# Altium PCB EPS.PcbDoc (part 4 of 10) (continued)
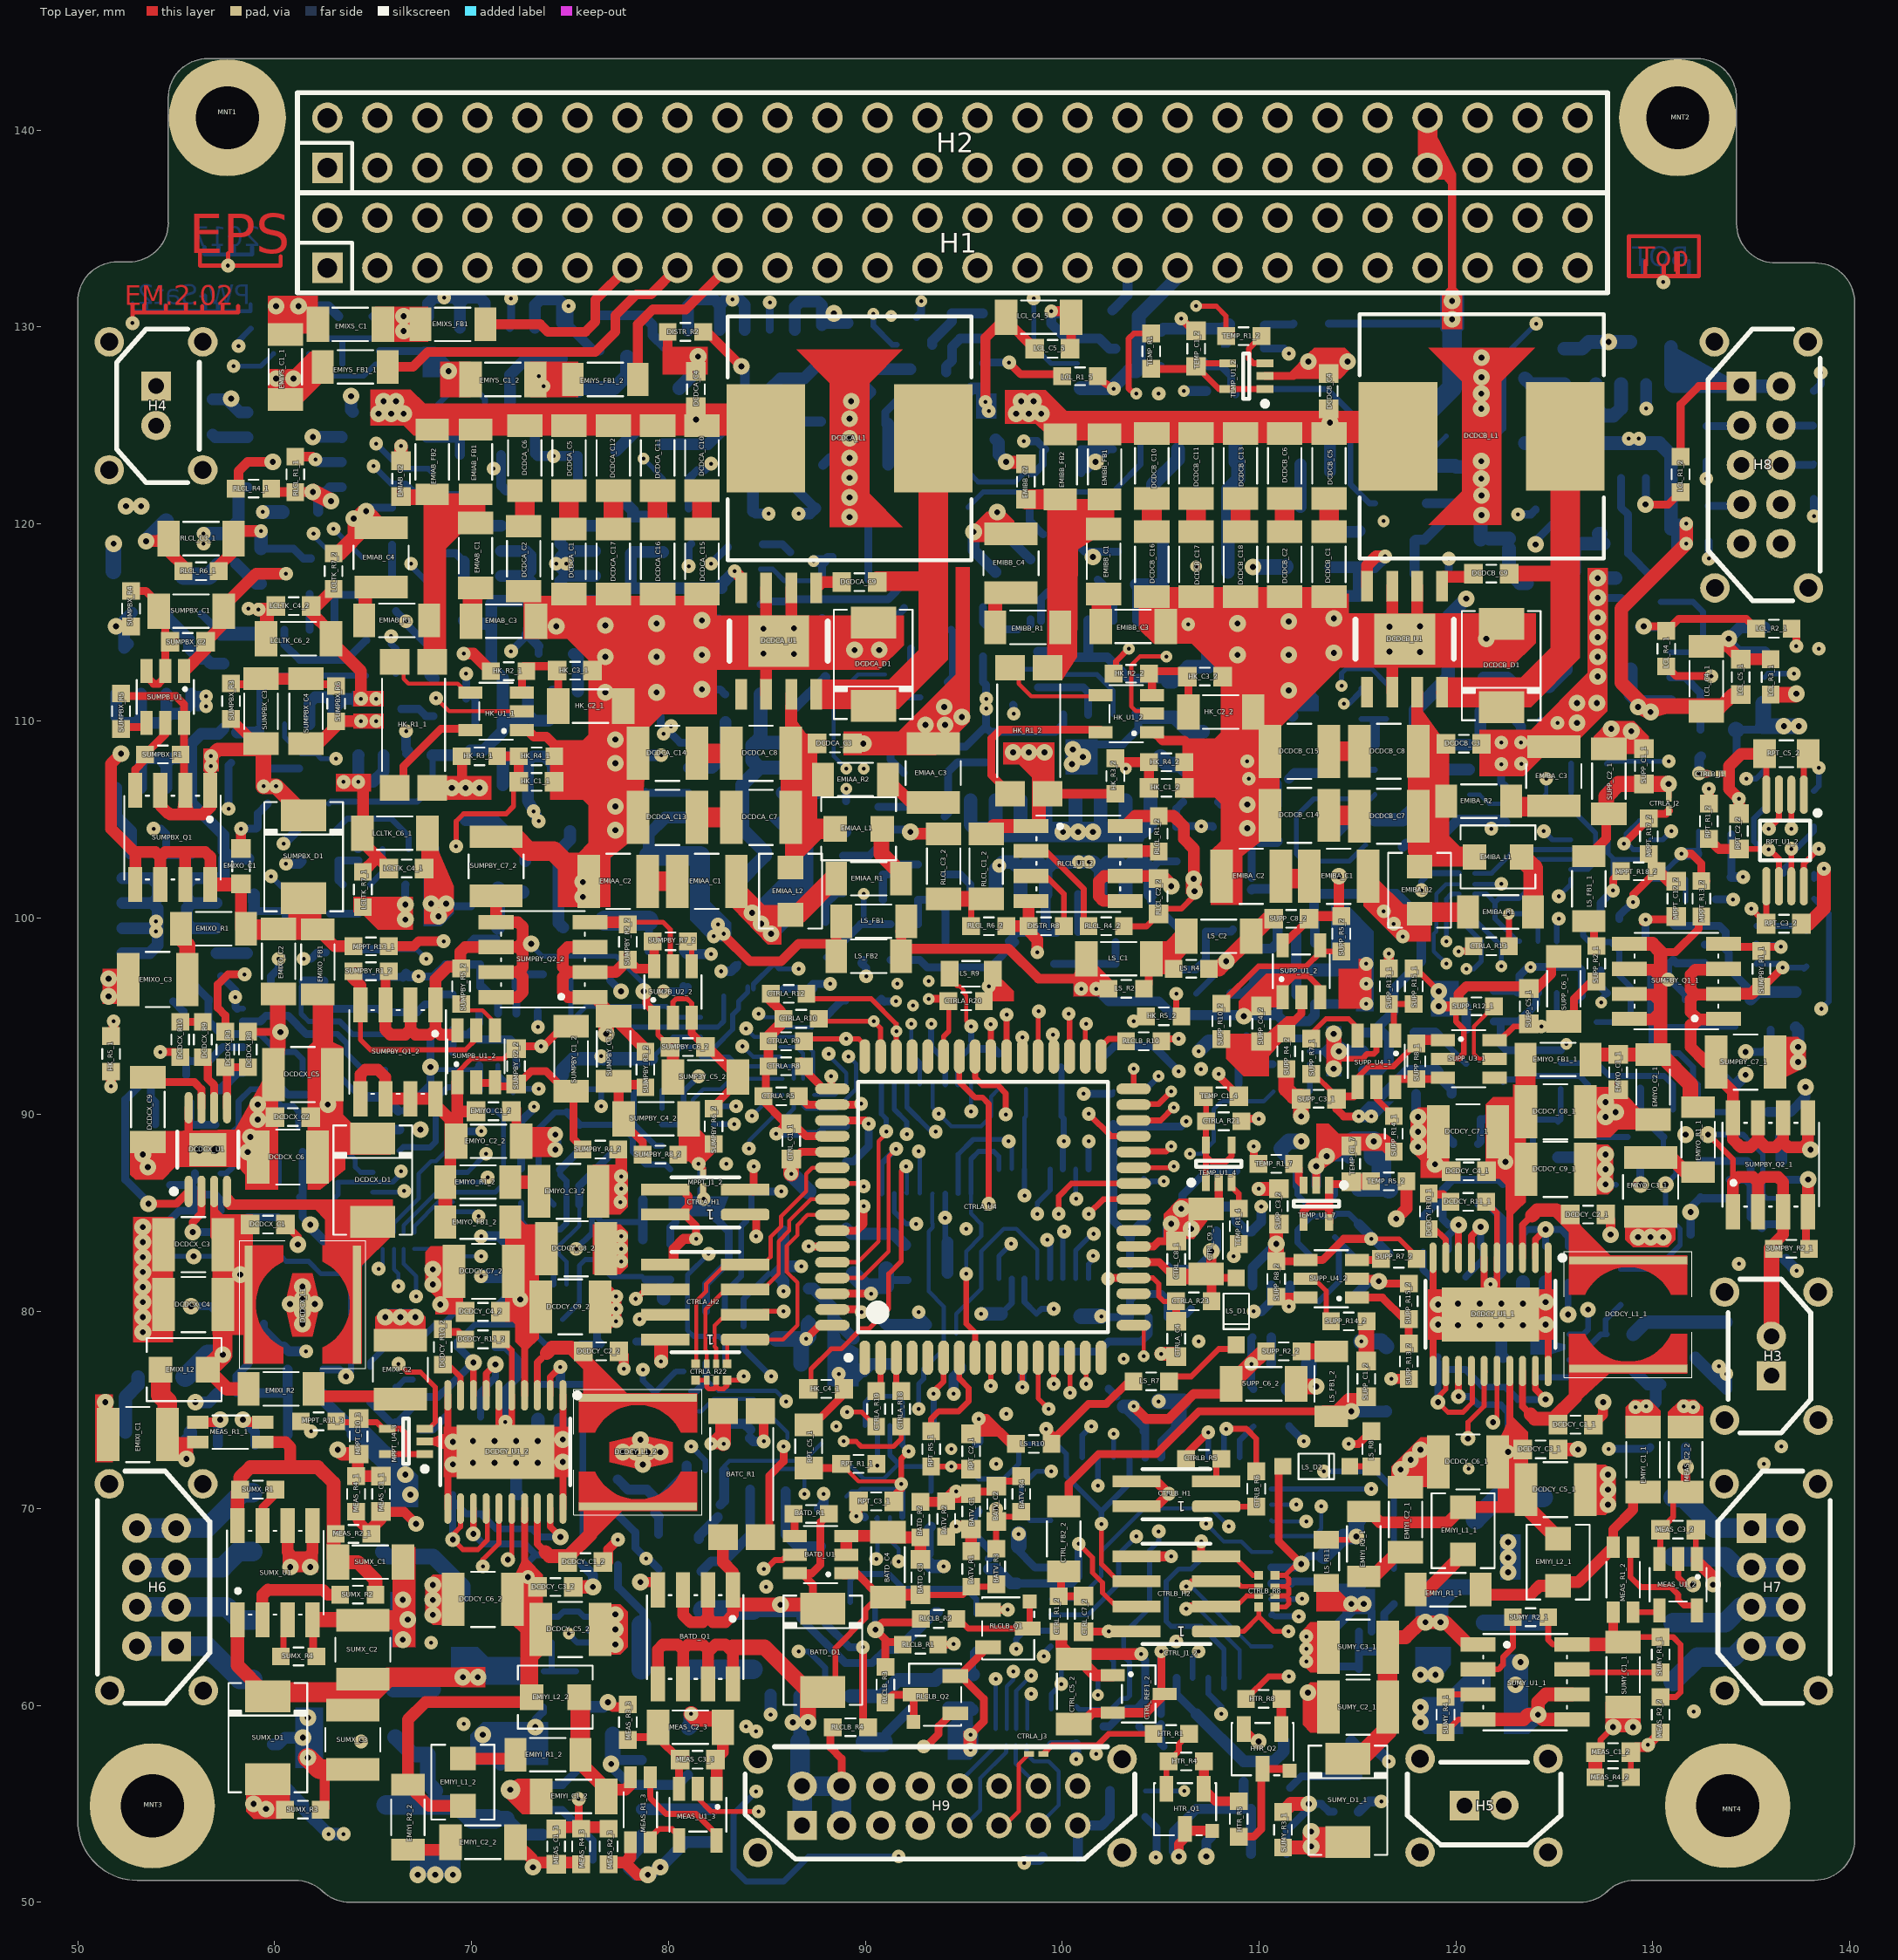
[diagram p0: Top Layer view]
## Nets (pads, with @x,y where several pads share a name; then routed paths per layer and width w, separated by ;. In a path a pad name is that pad's centre, name@x,y a point inside that pad or via, vN(x,y) a via of type N, cw(c..) or ccw(c..) an arc to the next point about the centre after c; other vN are vias at no path point) (continued)
  Bottom Layer w0.208: v1(92.71,88.138) 92.766,88.082 CTRLA_U2.5@92.766,85.998 ; HK_R4_3.1@110.247,130.099 HK_R4_3.1@110.285,130.137
  Bottom Layer w0.4: HK_R4_3.1@110.247,130.099 HK_C1_3.1@110.247,129.159 110.247,128.905 111.252,128.905 v1(111.506,128.651) ; HK_R4_3.1@110.285,130.137 111.711,130.137 HK_R3_3.2@111.749,130.175
CTRLA_JTAG_R\E\S\E\T\: CTRLA_C4.1 CTRLA_H2.6 CTRLA_R23.1 CTRLA_U4.20 | length 51.1
  Top Layer w0.208: v1(78.339,80.647) v1@78.361,80.647 ; CTRLA_H2.6@78.829,81.115 CTRLA_H2.6@79.845,81.115 CTRLA_H2.6@80.861,81.115
  Top Layer w0.254: CTRLA_U4.20@103.624,81.706 104.603,81.706 104.902,81.407 104.902,80.772 105.156,80.518 CTRLA_R23.1@105.78,80.518
  Top Layer w0.3: v1@78.361,80.647 CTRLA_H2.6@78.829,81.115
  Top Layer w0.4: v1(102.324,81.661) 102.369,81.706 CTRLA_U4.20@103.624,81.706 ; CTRLA_C4.1@105.78,79.248 CTRLA_R23.1@105.78,80.518
  Signal 2 w0.254: v1(78.339,80.647) 83.314,80.647 86.233,83.566 86.233,84.836 88.519,87.122 88.519,90.424 89.408,91.313 93.091,91.313 94.488,92.71 100.838,92.71 103.505,90.043 103.505,82.842 v1(102.324,81.661)
CTRLA_JTAG_TCK: CTRLA_H2.1 CTRLA_R22.5 CTRLA_U4.57 | length 12.4
  Top Layer w0.208: CTRLA_R22.5@82.982,77.343 CTRLA_H2.1@82.982,78.613 ; CTRLA_H2.1@83.895,78.575 85.814,78.575 86.546,79.307 86.546,81.475 86.009,82.012 86.009,83.342 86.547,83.88 86.547,84.388 87.065,84.906 CTRLA_U4.57@88.324,84.906
  Top Layer w0.254: CTRLA_H2.1@83.274,78.575 CTRLA_H2.1@83.895,78.575
CTRLA_JTAG_TDI: CTRLA_H2.7 CTRLA_R22.8 CTRLA_U4.54 | length 14.5
  Top Layer w0.208: CTRLA_R22.8@81.407,77.343 81.407,80.518 81.915,81.026 81.915,81.407 CTRLA_H2.7@82.893,82.385 ; CTRLA_H2.7@83.895,82.385 84.798,82.385 85.186,82.773 85.186,83.789 85.725,84.328 85.725,84.836 86.995,86.106 86.995,86.995 87.306,87.306 CTRLA_U4.54@88.324,87.306
  Top Layer w0.254: CTRLA_H2.7@82.893,82.385 CTRLA_H2.7@83.895,82.385
CTRLA_JTAG_TDO: CTRLA_H2.3 CTRLA_R22.6 CTRLA_U4.55 | length 14.5
  Top Layer w0.208: CTRLA_R22.6@82.423,77.343 82.423,78.143 82.34,78.226 82.34,79.292 82.893,79.845 CTRLA_H2.3@83.895,79.845
  Top Layer w0.254: CTRLA_H2.3@84.836,80.01 v1(85.852,80.01) ; CTRLA_U4.55@88.324,86.506 89.77,86.506 v1(89.916,86.36)
  Signal 2 w0.254: v1(85.852,80.01) 88.646,82.804 88.646,85.09 v1(89.916,86.36)
CTRLA_JTAG_TMS: CTRLA_H2.5 CTRLA_R22.7 CTRLA_U4.56 | length 12.8
  Top Layer w0.208: CTRLA_R22.7@81.94,77.343 81.94,77.979 81.883,78.037 81.883,80.105 82.893,81.115 CTRLA_H2.5@83.895,81.115 84.798,81.115 85.598,81.915 85.598,83.566 86.136,84.104 86.136,84.612 87.23,85.706 CTRLA_U4.56@88.324,85.706
CTRLA_LCLs_ANTs_FlagB: CTRLA_R12.2 CTRLA_U4.46 LCL_U1_2.7 | length 77.1
  Top Layer w0.254: CTRLA_R12.2@87.006,96.139 87.26,95.885 90.297,95.885 91.574,94.608 v3(91.574,94.234) CTRLA_U4.46@91.574,92.956
  Control Signals 1 w0.254: v3(91.574,94.234) 91.574,94.735 90.932,95.377 90.932,101.981 88.138,104.775 88.138,108.585 92.075,112.522 121.793,112.522 123.772,114.501 123.772,116.406 125.095,117.729 125.095,123.571 127.381,125.857 v1(129.667,125.857)
  Bottom Layer w0.6: LCL_U1_2.7@129.65,127.11 129.65,125.874 v1(129.667,125.857)
CTRLA_LCLs_ANTs_ON: CTRLA_U4.40 LCL_R4_2.2 | length 52.5
  Top Layer w0.3: CTRLA_U4.40@96.374,92.956 v1(96.374,94.596)
  Signal 2 w0.208: v1(96.374,94.596) 95.504,95.466 95.504,102.743 98.806,106.045 101.6,106.045 102.489,106.934 102.489,110.236 101.473,111.252 101.473,115.316 105.41,119.253 121.92,119.253 v1(123.152,120.485)
  Bottom Layer w0.4: v1(123.152,120.485) 123.798,120.485 LCL_R4_2.2@124.041,120.728
CTRLA_LCLs_CAMnadir_FlagB: CTRLA_R8.2 CTRLA_U4.49 LCL_U1_3.7 | length 52.5
  Top Layer w0.4: CTRLA_R8.2@86.741,92.71 86.995,92.456 86.995,92.202 87.891,91.306 CTRLA_U4.49@88.324,91.306 88.265,91.365 v1(88.265,91.948)
  Signal 2 w0.208: v1(85.15,131.251) 85.15,129.988 88.138,127 88.138,105.918 94.742,99.314 94.742,94.782 93.432,93.472 91.059,93.472 89.535,91.948 v1(88.265,91.948)
  Bottom Layer w0.4: LCL_U1_3.7@85.15,129.86 v1(85.15,131.251)
CTRLA_LCLs_CAMnadir_ON: CTRLA_U4.37 LCL_R4_3.2 | length 50
  Top Layer w0.254: CTRLA_U4.37@98.774,92.956 98.774,95.218 v1(98.806,95.25)
  Top Layer w0.3: CTRLA_U4.37@98.774,92.956 CTRLA_U4.37@98.806,92.988
  Control Signals 1 w0.208: v3(78.74,123.317) 78.105,122.682 78.105,110.744 78.867,109.982 78.867,107.442 80.264,106.045 81.407,106.045 89.281,98.171 89.281,94.996 91.313,92.964 98.171,92.964 98.806,93.599 v1(98.806,95.25)
  Bottom Layer w0.254: v3(78.74,123.317) 78.74,123.306 LCL_R4_3.2@79.756,122.29
CTRLA_LCLs_CAMwing_FlagB: CTRLA_R9.2 CTRLA_U4.48 LCL_U1_4.7 | length 50.6
  Top Layer w0.254: CTRLA_R9.2@86.879,93.726 87.006,93.853 v1(89.027,93.853) 89.662,93.853 89.974,93.541 CTRLA_U4.48@89.974,92.956
  Control Signals 1 w0.254: v1(72.009,131.445) 72.009,118.999 75.311,115.697 75.311,111.252 76.454,110.109 77.47,110.109 78.359,109.22 78.359,107.209 87.376,98.192 87.376,95.504 v1(89.027,93.853)
  Bottom Layer w0.4: LCL_U1_4.7@71.95,129.96 72.009,130.019 v1(72.009,131.445)
CTRLA_LCLs_CAMwing_ON: CTRLA_U4.38 LCL_R4_4.2 | length 59.6
  Top Layer w0.3: CTRLA_U4.38@97.974,93.295 v1(97.974,93.927)
  Control Signals 2 w0.254: v1(65.024,122.936) 73.914,114.046 73.914,112.268 75.692,110.49 80.518,110.49 81.153,109.855 81.153,97.155 82.169,96.139 85.852,96.139 86.868,95.123 89.027,95.123 90.805,93.345 97.392,93.345 v1(97.974,93.927)
  Bottom Layer w0.3: v1(65.024,122.936) 65.913,122.047 66.675,122.047 67.194,121.528 LCL_R4_4.2@69.469,121.528
CTRLA_LCLs_SENS_FlagB: CTRLA_R10.2 CTRLA_U4.47 LCL_U1_5.7 | length 72.3
  Top Layer w0.254: CTRLA_R10.2@87.641,94.869 87.768,94.742 v3(90.424,94.742) 90.774,94.392 CTRLA_U4.47@90.774,92.956
  Control Signals 2 w0.208: v3(90.424,94.742) 89.281,95.885 88.011,95.885 87.376,96.52 87.376,115.443 83.693,119.126 79.947,119.126 77.216,121.856 77.216,124.841 79.121,126.746 84.963,126.746 87.63,129.413 92.71,129.413 94.742,131.445 v1(98.552,131.445)
  Bottom Layer w0.254: v1(98.552,131.445) 98.552,129.032 99.434,128.15 LCL_U1_5.7@100.76,128.15
CTRLA_LCLs_SENS_ON: CTRLA_U4.39 LCL_R4_5.2 | length 46.6
  Top Layer w0.3: CTRLA_U4.39@97.174,92.956 v1(97.174,95.079)
  Signal 2 w0.3: v3(89.916,107.569) 90.932,107.569 91.948,108.585 91.948,127.508 90.41,129.046 v3(90.41,130.683)
  Control Signals 1 w0.254: v3(89.916,107.569) 91.059,107.569 94.361,104.267 94.361,96.266 94.996,95.631 96.622,95.631 v1(97.174,95.079)
  Bottom Layer w0.3: v3(90.41,130.683) 90.41,130.062 91.372,129.1 LCL_R4_5.2@91.6,129.1
CTRLA_LCLs_Suns_FlagB: CTRLA_R5.2 CTRLA_U4.50 LCL_U1_6.7 | length 53.9
  Top Layer w0.4: CTRLA_R5.2@86.625,90.932 87.051,90.506 CTRLA_U4.50@88.324,90.506 89.744,90.506 v1(89.789,90.551)
  Control Signals 1 w0.208: v1(107.047,92.315) 107.047,92.401 107.482,92.837 108.966,92.837 111.887,95.758 111.887,97.917 119.761,105.791 123.317,105.791 v1(124.587,107.061)
  Control Signals 2 w0.208: v1(89.789,90.551) 90.17,90.932 98.298,90.932 99.844,89.386 102.213,89.386 104.239,91.412 104.239,92.555 104.648,92.964 106.172,92.964 106.821,92.315 v1(107.047,92.315)
  Bottom Layer w0.208: LCL_U1_6.7@120.66,106.25 121.207,106.25 121.666,105.791 124.079,105.791 124.587,106.299 v1(124.587,107.061)
CTRLA_LCLs_SunS_ON: CTRLA_U4.36 LCL_R4_6.2 | length 26.7
  Top Layer w0.3: v1(99.528,94.067) 99.528,93.51 CTRLA_U4.36@99.695,93.343
  Control Signals 1 w0.208: v1(99.528,94.067) 99.995,93.599 101.219,93.599 114.3,106.68 v3(114.3,110.871)
  Bottom Layer w0.3: v3(114.3,110.871) 114.554,110.871 115.189,111.506 LCL_R4_6.2@115.189,111.644
CTRLA_LCLs_TKmain_FlagB: CTRLA_R2.2 CTRLA_U4.51 LCLTK_U1_1.7 | length 40.1
  Top Layer w0.4: CTRLA_U4.51@88.324,89.706 89.999,89.706 v1(90.17,89.535)
  Control Signals 1 w0.254: v1(66.675,109.474) 67.31,108.839 71.501,108.839 74.086,106.254 74.086,105.111 77.089,102.108 77.089,100.965 81.28,96.774 81.28,94.615 83.185,92.71 84.836,92.71 88.011,89.535 v1(90.17,89.535)
  Bottom Layer w0.4: LCLTK_U1_1.7@66.675,108.335 LCLTK_U1_1.7@66.75,108.26 ; CTRLA_R2.2@89.027,87.619 89.397,87.619 90.17,88.392 v1(90.17,89.535)
  Bottom Layer w0.5: v1(66.675,109.474) 66.675,108.589 LCLTK_U1_1.7@66.802,108.462
CTRLA_LCLs_TKmain_ON: CTRLA_U4.35 LCLTK_R13_1.2 | length 47.7
  Top Layer w0.3: v1(100.33,95.123) v1@100.369,95.123 ; CTRLA_U4.35@100.374,92.956 v1@100.374,95.118 ; v1@100.369,95.123 100.33,95.162 100.374,95.206 v1@100.374,95.118 ; v1@100.369,95.123 v1@100.374,95.118
  Signal 1 w0.254: v1(60.579,102.743) 68.453,102.743 69.469,101.727 73.152,101.727 74.549,103.124 83.82,103.124 86.868,100.076 94.869,100.076 97.917,97.028 99.06,97.028 100.33,95.758 v1(100.33,95.123)
  Bottom Layer w0.4: LCLTK_R13_1.2@61.37,102.87 LCLTK_R13_1.2@61.4,102.9
  Bottom Layer w0.5: v1(60.579,102.743) 61.243,102.743 LCLTK_R13_1.2@61.37,102.87
CTRLA_MPPTX_C\S\_ADC: CTRLA_R1.8 CTRLA_U4.25 | length 60.5
  Top Layer w0.3: v1(101.346,84.963) 102.089,85.706 CTRLA_U4.25@103.624,85.706
  Power w0.208: v3(91.616,96.641) 92.45,97.476 96.58,97.476 97.409,96.647 99.735,96.647 100.878,95.504 101.473,95.504 101.981,94.996 101.981,91.821 102.87,90.932 102.87,86.487 v1(101.346,84.963)
  Signal 2 w0.208: v1(65.278,82.169) 69.215,86.106 73.406,86.106 83.312,96.012 83.706,96.012 86.343,98.649 89.565,98.649 91.573,96.641 v3(91.616,96.641)
  Bottom Layer w0.208: v1(65.278,82.169) 65.481,82.372 CTRLA_R1.8@65.481,83.185
CTRLA_MPPTX_C\S\_DAC: CTRLA_R1.7 CTRLA_R11.8 CTRLA_R16.6 CTRLA_R24.6 CTRLA_U4.26 | length 162.5
  Top Layer w0.3: v1(99.822,84.963) 99.822,85.852 100.476,86.506 CTRLA_U4.26@103.624,86.506
  Signal 2 w0.208: v1(66.281,81.289) 66.281,82.283 69.566,85.568 73.63,85.568 83.439,95.377 83.653,95.377 84.415,96.139 86.447,98.171 87.884,98.171 89.027,97.028 89.027,94.996 89.789,94.234 89.789,93.593 v1(89.146,92.95) ; v1(97.518,61.722) 96.901,62.339 96.901,63.246 99.187,65.532 99.695,65.532 102.997,68.834 102.997,69.596 105.791,72.39 108.077,72.39 109.093,73.406 109.093,75.184 107.95,76.327 107.95,78.613 106.098,80.465 101.526,80.465 100.838,81.153 100.838,84.455 100.33,84.963 v1(99.822,84.963)
  Control Signals 1 w0.254: v1(99.822,84.963) 100.33,84.963 100.778,84.515 100.778,81.594 101.727,80.645 102.616,80.645 103.124,81.153 103.124,87.757 104.394,89.027 107.569,89.027 109.982,91.44 114.554,91.44 118.25,95.136 v1(118.25,101.4)
  Control Signals 2 w0.208: v1@89.132,92.936 v1(89.146,92.95) 89.146,91.686 88.392,90.932 86.995,90.932 86.487,91.44 83.439,91.44 82.274,90.275 82.274,86.509 83.566,85.217 86.995,85.217 89.027,87.249 90.551,87.249 91.313,86.487 93.472,86.487 93.98,86.995 98.806,86.995 99.822,85.979 v1(99.822,84.963)
  Bottom Layer w0.208: CTRLA_R1.7@66.065,83.185 66.065,82.144 66.281,81.928 v1(66.281,81.289) ; CTRLA_R24.6@86.843,90.995 86.843,90.449 86.995,90.297 88.519,90.297 89.535,91.313 89.535,92.583 89.168,92.95 v1(89.146,92.95) ; CTRLA_R16.6@97.18,58.801 97.18,60.97 97.518,61.308 v1(97.518,61.722)
  Bottom Layer w0.3: v1@118.237,101.346 118.237,101.854 118.643,102.26 CTRLA_R11.8@120.142,102.26
CTRLA_MPPTY+_C\S\_ADC: CTRLA_R11.7 CTRLA_U4.27 | length 29.1
  Top Layer w0.254: CTRLA_U4.27@103.624,87.306 v3@105.668,87.306
  Control Signals 1 w0.208: v3(105.668,87.38) 105.694,87.354 110.214,87.354 110.998,88.138 110.998,90.043 111.76,90.805 115.062,90.805 117.983,93.726 118.872,93.726 120.142,94.996 120.142,96.861 119.507,97.496 v3(119.507,97.663)
  Bottom Layer w0.208: v3(119.507,97.663) 118.872,98.298 118.872,99.187 118.999,99.314 118.999,101.219 119.482,101.702 CTRLA_R11.7@120.142,101.702
  Bottom Layer w0.254: v3(119.507,97.663) v3@119.507,97.773
CTRLA_MPPTY+_C\S\_DAC: CTRLA_R11.5 CTRLA_U4.28 | length 36.8
  Top Layer w0.3: CTRLA_U4.28@103.624,88.106 103.656,88.138 CTRLA_U4.28@103.783,88.011 ; CTRLA_U4.28@104.013,88.138 105.283,88.138 v3(105.537,88.392)
  Control Signals 1 w0.208: v3(105.537,88.392) 104.775,88.392 104.267,87.884 104.267,85.725 104.521,85.471 105.196,85.471 105.958,86.233 106.934,86.233 108.712,84.455 111.887,84.455 114.935,87.503 115.824,87.503 116.586,88.265 116.586,91.313 118.11,92.837 119.38,92.837 121.031,94.488 121.031,96.901 v3(120.523,97.409)
  Bottom Layer w0.254: CTRLA_R11.5@120.142,100.66 120.142,99.949 121.285,98.806 121.285,97.79 120.904,97.409 v3(120.523,97.409)
CTRLA_MPPTY-_C\S\_ADC: CTRLA_R24.7 CTRLA_U4.31 | length 41.1
  Top Layer w0.3: CTRLA_U4.31@103.624,90.506 103.651,90.533 104.884,90.533 v3(105.537,91.186) 105.537,91.094 v3@105.583,91.14
  Power w0.208: v1(84.088,88.279) 85.739,88.279 86.487,89.027 86.487,93.599 88.138,95.25 88.9,95.25 89.285,95.635 89.285,97.389 89.782,97.887 96.931,97.887 97.715,97.103 102.16,97.103 102.616,96.647 102.616,91.886 103.316,91.186 v3(105.537,91.186)
  Bottom Layer w0.208: v1(84.088,88.279) 84.088,88.68 85.325,89.916 85.979,89.916 86.36,90.297 CTRLA_R24.7@86.36,90.995
CTRLA_MPPTY-_C\S\_DAC: CTRLA_R24.8 CTRLA_U4.32 | length 23.4
  Top Layer w0.3: CTRLA_U4.32@103.624,91.306 103.632,91.314 v3(103.632,92.329)
  Control Signals 2 w0.208: v1(84.242,89.929) 88.151,89.929 90.551,92.329 v3(103.632,92.329)
  Bottom Layer w0.208: v1(84.242,89.929) 84.247,89.929 85.313,90.995 CTRLA_R24.8@85.801,90.995
CTRLA_SPI_MISO: CTRLA_R1.5 CTRLA_U4.13 | length 45
  Top Layer w0.208: CTRLA_U4.13@99.568,77.65 CTRLA_U4.13@99.574,77.656
  Top Layer w0.254: v1(99.568,76.327) CTRLA_U4.13@99.568,77.65
  Signal 2 w0.208: v1(70.485,82.804) 72.263,82.804 72.771,82.296 75.692,82.296 76.2,82.804 76.2,86.614 77.216,87.63 78.867,87.63 79.502,88.265 82.169,88.265 v1(82.931,87.503)
  Control Signals 1 w0.254: v1(82.931,87.503) 85.217,85.217 86.487,85.217 89.662,82.042 92.837,82.042 94.107,80.772 97.028,80.772 97.917,79.883 97.917,77.978 v1(99.568,76.327)
  Bottom Layer w0.208: CTRLA_R1.5@67.081,83.185 68.453,83.185 68.834,82.804 v1(70.485,82.804)
CTRLA_SPI_MOSI: CTRLA_R1.6 CTRLA_R11.6 CTRLA_R16.5 CTRLA_R24.5 CTRLA_U4.12 | length 142.6
  Top Layer w0.254: CTRLA_U4.12@98.774,77.656 98.774,75.597 v1(99.314,75.057)
  Signal 1 w0.254: v1(96.622,61.341) 95.733,62.23 94.234,62.23 93.726,62.738 93.726,64.389 96.774,67.437 96.774,68.961 97.409,69.596 97.409,70.993 97.917,71.501 97.917,73.001 98.425,73.509 98.425,74.676 98.806,75.057 v1(99.314,75.057)
  Signal 2 w0.208: v1(67.183,80.772) 67.183,82.423 67.818,83.058 68.961,83.058 69.469,82.55 69.469,81.407 69.85,81.026 70.993,81.026 71.628,81.661 83.439,81.661 85.598,83.82 85.598,84.963 87.122,86.487 87.122,92.075 v1(88.138,93.091)
  Control Signals 2 w0.208: 85.598,82.296 84.455,82.296 82.296,84.455 81.28,84.455 80.645,85.09 80.645,89.408 84.328,93.091 v1(88.138,93.091)
  Control Signals 2 w0.254: 85.598,82.296 89.408,78.486 98.044,78.486 98.806,77.724 ; v1(99.314,75.057) 98.806,75.565 98.806,77.724 ; v3(119.507,98.806) 117.729,97.028 117.729,94.107 114.046,90.424 114.046,88.646 114.427,88.265 114.427,86.614 113.792,85.979 113.792,80.137 109.982,76.327 107.061,76.327 106.426,76.962 102.108,76.962 101.473,77.597 98.933,77.597 98.806,77.724
  Bottom Layer w0.208: CTRLA_R1.6@66.548,83.185 66.548,82.423 67.183,81.788 v1(67.183,80.772) ; CTRLA_R24.5@87.401,90.995 88.456,90.995 89.027,91.567 89.027,92.115 88.265,92.877 88.265,92.964 v1(88.138,93.091) ; CTRLA_R16.5@96.622,58.801 v1(96.622,61.341) ; v1(67.183,80.772) 67.183,80.691 67.102,80.772 v1(67.183,80.772)
  Bottom Layer w0.254: v3(119.507,98.806) 119.507,100.942 119.78,101.215 120.138,101.215 CTRLA_R11.6@120.142,101.219
CTRLA_SPI_SCK: CTRLA_R3.1 CTRLA_U4.11 | length 3.4
  Top Layer w0.254: v1(97.974,76.152) CTRLA_U4.11@97.974,77.656
  Bottom Layer w0.4: CTRLA_R3.1@97.906,77.978 CTRLA_R3.1@97.906,77.851 97.974,77.783 v1(97.974,76.152)
CTRLAB_3V3D: LCL_R2_1.1 LCL_R2_2.1 LCL_R2_3.1 LCL_R2_4.1 LCL_R2_5.1 LCL_R2_6.1 LCLTK_R6_1.1 LCLTK_R6_2.1 LS_R7.2 LS_R8.1 LS_R10.2 RLCLB_R1.2 SEL_R1.2 | length 245
  Top Layer w0.3: LCL_R2_1.1@137.044,114.681 LCL_R2_1.1@137.287,114.438
  Top Layer w0.4: RLCLB_R1.2@93.699,63.081 94.45,63.081 v1(94.488,63.119) ; v1(99.187,74.041) 99.568,73.66 99.695,73.66 101.346,75.311 102.235,75.311 103.378,76.454 LS_R7.2@103.621,76.454 ; v1(114.554,73.279) 115.051,73.279 LS_R8.1@115.697,73.925 ; v1(137.287,113.792) LCL_R2_1.1@137.287,114.438
  Power w0.3: v1(61.976,119.507) 60.706,120.777 60.706,121.92 61.214,122.428 62.611,122.428 64.262,124.079 v1(65.151,124.079)
  Signal 1 w0.4: v1(94.488,63.119) 94.488,63.881 98.552,67.945 98.552,72.39 99.187,73.025 v1(99.187,74.041)
  Signal 1 w0.6: v1(82.169,123.063) 87.249,128.143 91.313,128.143 92.837,129.667 v3(92.837,131.318)
  Signal 1 w0.7: v2(124.041,118.961) 128.435,118.961 132.207,115.189 135.89,115.189 v1(137.287,113.792)
  Signal 2 w0.6: v1(59.817,102.108) 59.309,102.616 59.309,105.347 58.547,106.109 58.547,107.696 62.484,111.633 62.484,118.364 ; v1(61.976,119.507) 61.976,118.872 62.484,118.364 ; v1(82.169,123.063) 79.629,120.523 67.691,120.523 65.532,118.364 62.484,118.364
  Signal 2 w0.7: v3(92.837,131.318) 94.248,129.907 102.63,129.907 104.902,127.635 v1(104.902,126.619)
  Control Signals 1 w0.4: v1(114.554,73.279) 115.316,74.041 118.618,74.041 v3(120.65,72.009)
  Control Signals 1 w0.7: v1(104.902,126.619) 104.902,125.603 108.331,122.174 117.348,122.174 120.561,118.961 v2(124.041,118.961)
  Control Signals 2 w0.4: v3(114.186,111.774) 121.906,111.774 ; v3(120.65,72.009) 123.19,72.009 126.111,74.93 126.111,76.708 128.016,78.613 128.016,81.28 126.492,82.804 126.492,92.075 128.397,93.98 128.397,97.282 127,98.679 127,106.68 121.906,111.774 ; v2(124.041,118.961) 124.041,113.909 121.906,111.774
  Control Signals 2 w0.6: v1(99.187,74.041) 99.766,74.041 100.909,75.184 102.355,75.184 104.641,72.898 109.347,72.898 110.871,74.422 113.411,74.422 v1(114.554,73.279)
  Bottom Layer w0.254: v1@61.976,119.391 LCLTK_R6_2.1@62.992,118.375 ; v3(114.186,111.774) 114.186,112.408 114.427,112.649 115.708,112.649 LCL_R2_6.1@116.459,111.898
  Bottom Layer w0.3: v1(59.817,102.108) 60.325,101.6 LCLTK_R6_1.1@61.457,101.6 ; v1@61.976,119.391 v1(61.976,119.507) ; v1(65.151,124.079) 66.421,122.809 67.807,122.809 LCL_R2_4.1@67.945,122.671
  Bottom Layer w0.4: SEL_R1.2@81.026,120.788 LCL_R2_3.1@81.026,122.29 81.476,122.74 81.846,122.74 v1(82.169,123.063) ; LCL_R2_5.1@92.6,130.5 92.837,130.737 v3(92.837,131.318) ; v2(124.041,118.961) 124.041,119.141 LCL_R2_2.1@125.5,120.6
CTRLB_3V3a: CTRL_FB1_2.1 CTRL_FB2_2.1 CTRLB_R10.2 LS_FB1_2.2 SUPP_C1_2.1 SUPP_C2_2.1 TEMP_R5_2.2 | length 67.3
  Top Layer w0.4: CTRL_FB2_2.1@100.33,70.103 100.33,71.247 101.854,72.771 104.775,72.771 106.935,74.931 LS_FB1_2.2@113.284,74.931
  Top Layer w0.6: LS_FB1_2.2@113.284,74.931 113.92,74.931 114.543,75.554 114.935,75.554 ; v2(116.967,84.709) 117.486,85.228 TEMP_R5_2.2@117.486,86.614
  Power w0.6: v2(114.681,74.93) 114.681,77.089 113.792,77.978 113.792,83.439 115.062,84.709 v2(116.967,84.709)
  Signal 2 w0.6: v1(116.586,57.15) 116.586,63.373 117.221,64.008 117.221,69.469 119.507,71.755 119.507,73.533 118.11,74.93 118.11,81.788 116.967,82.931 v2(116.967,84.709)
  Bottom Layer w0.6: CTRL_FB1_2.1@114.68,58.166 114.997,57.848 115.887,57.848 ; v2(114.681,74.93) 116.458,74.93 SUPP_C2_2.1@116.459,74.931 ; v1(116.586,57.15) 115.887,57.848 ; CTRLB_R10.2@116.586,58.663 115.887,57.964 115.887,57.848
CTRLB_3V3D: CTRL_C1_2.1 CTRL_C2_2.1 CTRL_C8_2.1 CTRL_C9_2.1 CTRLA_R14.2 CTRLB_C3.1 CTRLB_C4.1 CTRLB_H2.4 CTRLB_R1.1 CTRLB_R2.1 CTRLB_R7.2 CTRLB_R8.1 CTRLB_R8.2 CTRLB_R8.3 CTRLB_R8.4 CTRLB_U1.5 CTRLB_U1.17 CTRLB_U1.38 LS_D2.A LS_R11.2 RPT_C3_2.2 RPT_C5_2.1 RPT_R1_2.1 RPT_R2_2.1 RPT_U1_2.1 RPT_U1_2.5 RPT_U1_2.8 SEL_C3.1 SEL_R11.2 SEL_U2.5 SUPP_C5_2.1 SUPP_C6_2.1 SUPP_R2_2.1 SUPP_U3_2.6 | length 252.2
  Top Layer w0.254: v1(100.838,68.199) 101.533,67.504 101.533,66.742 102.049,66.226 102.049,65.718 102.742,65.025 CTRLB_H2.4@103.773,65.025 ; CTRLB_R8.1@110.807,65 111.354,65 111.506,65.152 111.506,65.406 111.354,65.558 ; CTRLB_R8.2@110.807,65.558 111.354,65.558 ; CTRLB_R8.3@110.807,66.041 111.379,66.041 ; CTRLB_R8.4@110.807,66.6 111.328,66.6 ; v2(112.141,67.183) 111.911,67.183 111.328,66.6 ; 111.328,66.6 111.506,66.422 111.506,66.168 111.379,66.041 ; 111.354,65.558 111.404,65.558 111.506,65.66 111.506,65.914 111.379,66.041
  Top Layer w0.3: LS_R11.2@113.411,68.41 114.765,68.41 v4(114.935,68.58) ; v1(135.001,100.457) 135.752,99.706 RPT_C3_2.2@135.752,99.695 135.763,99.706 RPT_U1_2.5@135.763,101.6 ; RPT_U1_2.8@137.668,101.6 137.668,102.743 v1(138.43,103.505) ; RPT_U1_2.1@137.668,106.25 137.668,108.12 RPT_C5_2.1@137.879,108.331 138.43,107.78 v1(138.43,107.611)
  Top Layer w0.4: LS_D2.A@111.203,72.136 110.998,71.931 110.998,68.326 v2(112.141,67.183)
  Top Layer w0.5: v3(103.632,75.18) 104.263,74.549 105.41,74.549 106.68,75.819 SUPP_C6_2.1@108.204,75.819 ; RPT_R1_2.1@132.842,105.802 v1(132.842,106.553)
  Top Layer w0.8: SUPP_C6_2.1@108.712,76.454 v1(109.601,77.343) SUPP_R2_2.1@110.167,77.909
  Signal 1 w0.4: v1(100.711,57.277) 100.711,58.166 102.743,60.198 102.743,62.738 103.378,63.373 103.378,66.548 102.87,67.056 102.87,69.088 103.505,69.723 105.537,69.723 106.29,68.97 106.29,67.827 106.934,67.183 108.839,67.183 110.109,68.453 ; v1(100.838,68.199) 100.479,68.558 100.479,70.38 100.838,70.739 100.838,71.374 102.362,72.898 102.87,72.898 103.632,73.66 ; v3(103.632,75.18) 103.632,73.66 ; v2(112.141,67.183) 111.379,67.183 110.109,68.453 ; v3(116.332,120.142) 119.253,120.142 123.19,116.205 123.19,110.49 128.016,105.664 131.953,105.664 v1(132.842,106.553) ; 103.632,73.66 104.521,72.771 107.188,72.771 110.109,69.85 110.109,68.453
  Signal 1 w0.5: v1(105.918,92.202) 105.918,91.948 107.569,90.297 107.569,89.154 109.474,87.249 110.744,87.249 111.76,86.233 111.76,82.169 110.531,80.94 110.531,78.273 v1(109.601,77.343) ; v1(132.842,106.553) 134.493,108.204 137.837,108.204 v1(138.43,107.611) v1(138.43,103.505) 135.382,100.457 v1(135.001,100.457)
  Control Signals 1 w0.4: v3(87.376,118.11) 96.393,118.11 98.171,116.332 103.124,116.332 106.934,120.142 v3(116.332,120.142)
  Control Signals 1 w0.6: v1(109.601,77.343) 111.252,77.343 113.792,79.883 116.332,79.883 119.38,82.931 121.539,82.931 123.621,85.013 123.621,89.712 128.905,94.996 128.905,97.409 132.715,101.219 132.715,102.87 135.636,105.791 136.61,105.791 v1(138.43,107.611)
  Bottom Layer w0.254: SEL_R11.2@84.671,117.702 85.295,117.702 85.88,117.117 SEL_U2.5@87.806,117.117
  Bottom Layer w0.3: RPT_R2_2.1@138.176,106.437 138.43,106.691 v1(138.43,107.611)
  Bottom Layer w0.4: SEL_U2.5@87.806,117.117 87.806,118.043 87.873,118.11 88.089,118.326 SEL_C3.1@88.343,118.326 ; CTRLB_R7.2@95.758,69.85 95.504,69.596 95.504,68.708 96.52,67.692 CTRLB_C4.1@96.265,67.437 ; CTRLB_C3.1@97.699,66.193 CTRLB_U1.38@99.417,66.193 100.483,66.193 100.838,66.548 v1(100.838,68.199) ; CTRLB_R1.1@99.441,58.028 CTRLB_R2.1@100.584,58.028 CTRLB_R2.1@100.711,58.028 ; CTRLA_R14.2@101.865,92.71 102.627,93.472 104.648,93.472 v1(105.918,92.202) ; CTRL_C2_2.1@102.363,76.073 CTRL_C2_2.1@102.744,75.692 ; CTRL_C1_2.1@104.129,73.914 CTRL_C1_2.1@104.129,74.168 CTRL_C1_2.1@104.129,74.179 ; CTRL_C1_2.1@104.129,74.423 104.217,74.335 CTRLB_U1.5@104.217,72.593 ; SUPP_U3_2.6@109.667,78.7 109.601,78.634 v1(109.601,77.343) 109.601,76.189 SUPP_C5_2.1@109.717,76.073 ; CTRLB_U1.17@110.617,66.993 111.95,66.993 112.533,67.576 CTRL_C8_2.1@113.284,67.575
  Bottom Layer w0.5: v1(100.711,57.277) CTRLB_R2.1@100.711,58.028 ; CTRL_C2_2.1@103.128,75.18 CTRL_C1_2.1@104.129,74.179
  Bottom Layer w0.6: v3(87.376,118.11) SEL_C3.1@87.873,118.11 ; CTRLB_C4.1@96.266,66.929 96.647,66.929 97.383,66.193 CTRLB_C3.1@97.699,66.193
  Bottom Layer w0.7: CTRL_C2_2.1@103.128,75.18 v3(103.632,75.18)
  Bottom Layer w0.8: CTRL_C8_2.1@113.284,67.575 114.289,68.58 v4(114.935,68.58) 114.935,69.341 CTRL_C9_2.1@115.062,69.468
CTRLB_BATC_Heater: CTRLB_U1.12 HTR_R6.1 | length 23
  Signal 2 w0.254: v1(115.697,70.993) 116.332,70.358 116.332,64.516 115.697,63.881 115.697,55.626 v1(116.205,55.118)
  Bottom Layer w0.254: CTRLB_U1.12@110.617,70.993 v1(115.697,70.993)
  Bottom Layer w0.5: HTR_R6.1@115.062,54.599 115.581,55.118 v1(116.205,55.118)
CTRLB_BATC_PT1000: CTRLB_R11.2 CTRLB_U1.32 | length 10.3
  Control Signals 2 w0.254: v3(101.817,60.528) 103.2,60.528 106.197,57.531 v3(106.197,55.651)
  Bottom Layer w0.254: v3(101.817,60.528) CTRLB_U1.32@101.817,61.393 ; CTRLB_R11.2@104.227,55.651 v3(106.197,55.651)
CTRLB_BURN_SADS: CTRLB_U1.16 LCLTK_R11_2.2 LCLTK_R12_2.2 | length 120.8
  Power w0.254: v1(60.452,103.759) 59.563,103.759 55.118,99.314 55.118,92.456 54.737,92.075 54.737,85.09 54.229,84.582 54.229,78.613 57.023,75.819 58.42,75.819 59.309,74.93 59.309,68.707 58.674,68.072 58.674,64.516 64.389,58.801 v1(64.389,58.166)
  Signal 1 w0.254: v1(64.389,58.166) 66.294,60.071 70.612,60.071 74.549,56.134 78.867,56.134 83.058,60.325 94.742,60.325 96.266,58.801 99.822,58.801 101.187,60.166 101.187,67.278 101.727,67.818 101.727,68.453 101.219,68.961 101.219,69.469 103.251,71.501 106.172,71.501 107.315,70.358 v1(107.315,69.229)
  Bottom Layer w0.208: v1(107.315,69.229) 107.301,69.229 108.204,68.326 109.093,68.326 109.626,67.793 CTRLB_U1.16@110.617,67.793
  Bottom Layer w0.4: LCLTK_R12_2.2@60.971,104.278 LCLTK_R12_2.2@60.971,104.521 61.15,104.521 LCLTK_R12_2.2@61.225,104.521
  Bottom Layer w0.5: v1(60.452,103.759) LCLTK_R12_2.2@60.971,104.278 ; LCLTK_R12_2.2@61.15,104.5 61.15,104.521 61.15,105.208 LCLTK_R11_2.2@61.341,105.399
CTRLB_BURN_SAIL: CTRLB_U1.15 LCLTK_R3_2.2 LCLTK_R5_2.2 | length 116.8
  Signal 2 w0.254: v1(67.691,97.917) 68.961,96.647 68.961,92.075 68.199,91.313 65.659,91.313 59.055,84.709 59.055,77.47 60.071,76.454 60.071,71.628 63.754,67.945 63.754,62.103 71.755,54.102 80.518,54.102 83.312,51.308 100,51.308 104.572,55.88 104.572,57.201 109.22,61.849 109.22,65.786 111.76,68.326 112.522,68.326 113.157,68.961 v1(113.157,70.104)
  Bottom Layer w0.208: CTRLB_U1.15@110.617,68.593 112.789,68.593 113.157,68.961 v1(113.157,70.104)
  Bottom Layer w0.254: LCLTK_R5_2.2@65.494,98.376 67.232,98.376 v1(67.691,97.917)
  Bottom Layer w0.4: LCLTK_R3_2.2@64.25,98.4 LCLTK_R5_2.2@65.494,98.4
CTRLB_HK_SUPP_TEMP: CTRLB_U1.34 TEMP_R1_7.2 | length 39.3
  Top Layer w0.4: TEMP_R1_7.2@109.728,87.376 v1(109.728,88.392)
  Signal 2 w0.208: v1(99.06,62.484) 101.219,64.643 104.521,64.643 105.029,64.135 106.934,64.135 107.95,65.151 107.95,66.802 109.474,68.326 109.474,71.628 110.744,72.898 110.744,77.47 108.966,79.248 108.966,80.499 111.633,83.166 111.633,85.852 109.728,87.757 v1(109.728,88.392)
  Bottom Layer w0.3: v1(99.06,62.484) 99.162,62.484 99.187,62.509 99.06,62.636 CTRLB_U1.34@99.417,62.993
CTRLB_HK_TEMP: CTRLB_U1.37 TEMP_R1_5.2 | length 26
  Control Signals 1 w0.3: v1(108.458,69.088) 111.252,71.882 v1(113.284,71.882)
  Bottom Layer w0.208: CTRLB_U1.37@99.417,65.393 100.826,65.393 101.978,66.545 101.978,67.815 104.162,69.999 107.547,69.999 v1(108.458,69.088)
  Bottom Layer w0.3: v1(113.284,71.882) 115.951,71.882 116.84,70.993 TEMP_R1_5.2@116.84,66.94
CTRLB_JTAG_R\E\S\E\T\: CTRLB_C2.1 CTRLB_H2.6 CTRLB_R7.1 CTRLB_U1.4 | length 18.8
  Top Layer w0.254: v1(101.99,69.215) 101.99,67.174 102.869,66.295 CTRLB_H2.6@103.773,66.295
  Bottom Layer w0.254: CTRLB_R7.1@95.504,71.766 95.769,71.501 97.028,71.501 97.79,72.263 97.79,73.036 CTRLB_C2.1@97.547,73.279 99.695,73.279 100.203,72.771 100.203,71.647 101.99,69.859 ; CTRLB_C2.1@97.42,73.279 CTRLB_C2.1@97.484,73.215
  Bottom Layer w0.3: v1(101.99,69.215) 101.99,69.859 103.417,71.286 CTRLB_U1.4@103.417,72.593 CTRLB_U1.4@103.301,72.709
CTRLB_JTAG_TCK: CTRLB_H2.1 CTRLB_R8.8 CTRLB_U1.21 | length 4.8
  Top Layer w0.254: CTRLB_H2.1@107.823,63.755 109.221,63.755 109.982,64.516 ; CTRLB_R8.8@109.982,65 109.982,64.516 ; v1(111.492,63.754) 110.744,63.754 109.982,64.516
CTRLB_JTAG_TDI: CTRLB_H2.7 CTRLB_R8.5 CTRLB_U1.24 | length 14.4
  Top Layer w0.254: CTRLB_H2.7@107.441,67.565 CTRLB_H2.7@107.823,67.565 108.712,67.565 109.677,66.6 CTRLB_R8.5@109.982,66.6
  Top Layer w0.4: CTRLB_H2.7@107.061,67.564 v1(107.061,68.326)
  Bottom Layer w0.254: v1(107.061,68.326) 107.061,67.437 106.553,66.929 105.918,66.929 105.283,66.294 105.283,64.262 105.537,64.008 107.061,64.008 108.217,62.852 CTRLB_U1.24@108.217,61.393
  Bottom Layer w0.3: CTRLB_U1.24@108.217,60.884 CTRLB_U1.24@108.217,61.393
CTRLB_JTAG_TDO: CTRLB_H2.3 CTRLB_R8.7 CTRLB_U1.23 | length 9
  Top Layer w0.254: CTRLB_H2.3@107.823,65.025 108.839,65.025 109.372,65.558 CTRLB_R8.7@109.982,65.558
  Top Layer w0.4: v1(106.299,64.898) 106.439,65.038 107.81,65.038 CTRLB_H2.3@107.823,65.025
  Bottom Layer w0.208: v1(106.299,64.898) 106.933,64.898 109.017,62.814 CTRLB_U1.23@109.017,61.393